# KiCad board q2v2.kicad_pcb (continued)
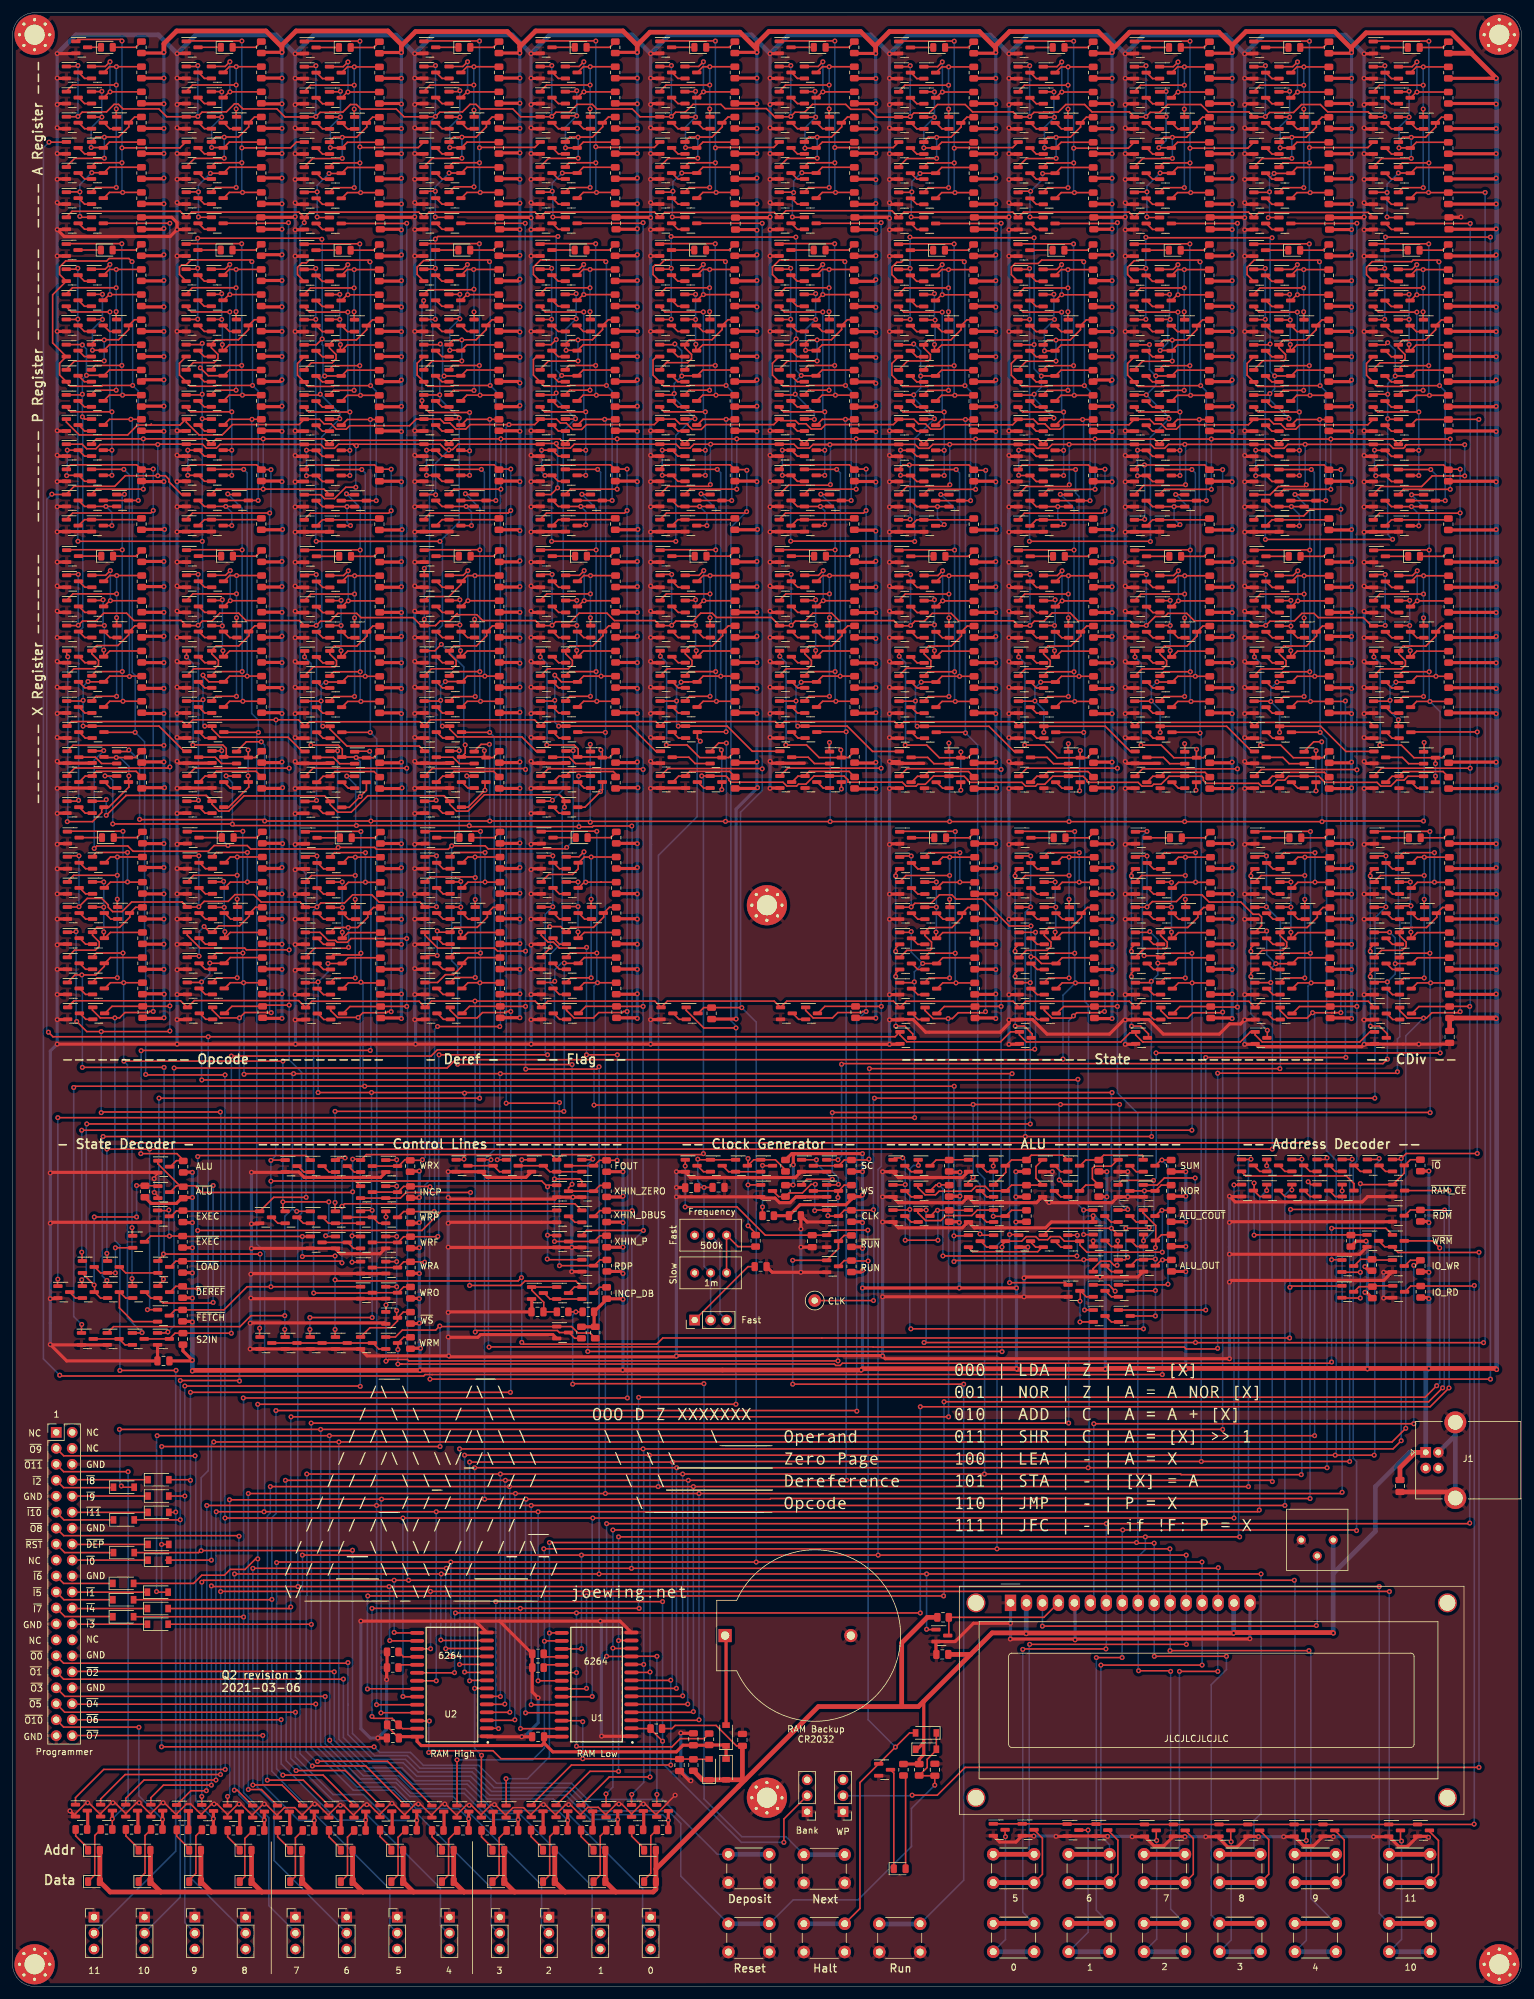
[diagram p0: board, top side]
## Routing (per net, layer and track width the routed paths; a pad name or vN(x,y) marks a point on that pad's centre or on a via; arc(x,y) is an arc through that point) (continued)
  Bottom w0.25: v1(207.92,249.31) 208,249.23 v1(208,199.53) 209.03,198.5 209.03,132.97 210.55,131.45 210.55,84.68 v1(210.4,84.53) ; v1(101.4,33.33) v1(101.4,50.03) 101.4,84.43 v1(101.3,84.53) ; v1(217.4,131.73) 217.4,131.33 216.69,130.62 216.69,84.62 v1(216.6,84.53) ; v1(71.9,50.03) v1(71.9,84.53)
ABUS2: length 483.7
  Top w0.25: 184.4,248.4 185.31,249.31 v1(188.78,249.31) R253.2 ; U1.8 104.66,48.69 v1(104.7,48.73) ; v1(212.7,83.53) v1(189.1,83.53) 105.1,83.53 v1(105,83.43) v1(72.7,83.43) ; Q681.1 213.05,131.58 v1(213.1,131.63) ; U2.8 72.77,48.69 v1(72.7,48.63) ; Q881.1 83.34,29.65 83.34,29.67 88.9,35.23 v1(104.7,35.23) ; v1(188.9,199.43) 188.78,199.55 Q641.3
  Bottom w0.25: v1(189.1,83.53) 189.08,83.55 189.08,199.25 v1(188.9,199.43) 188.9,236.32 188.78,236.44 v1(188.78,249.31) ; v1(212.7,83.53) 212.7,130.93 213.1,131.33 v1(213.1,131.63) ; v1(105,83.43) 104.93,83.35 104.93,48.95 v1(104.7,48.73) v1(104.7,35.23) ; v1(72.7,48.63) v1(72.7,83.43)
ABUS3: length 463.3
  Top w0.25: 165.9,248.4 166.81,249.31 v1(170.22,249.31) R172.2 ; v1(74.6,36.78) 74.57,36.75 Q877.1 ; v1(73.5,47.43) 73.5,47.42 U2.7 ; v1(105.6,47.43) 105.59,47.42 U1.7 ; v1(209.1,131.83) 208.85,131.58 207.45,131.58 ; v1(170.4,199.53) 165.96,199.53 ; v1(73.5,82.53) v1(171.1,82.53) v1(209.1,82.53)
  Bottom w0.25: v1(73.5,82.53) v1(73.5,47.43) 73.5,37.88 v1(74.6,36.78) ; v1(170.22,249.31) 170.37,249.15 170.37,199.55 v1(170.4,199.53) 170.58,199.35 170.58,156.7 171.13,156.15 171.13,108.1 171.25,107.97 171.25,82.68 v1(171.1,82.53) ; v1(209.1,82.53) v1(209.1,131.83) 209.15,131.88 ; v1(105.6,47.43) 105.6,82.48 v1(105.65,82.53)
ABUS4: length 539.1
  Top w0.25: 146.9,248.4 147.81,249.31 v1(151.58,249.31) R94.2 ; v1(77.6,46.13) 77.57,46.15 U2.6 ; v1(205,81.43) 185.9,81.43 185.8,81.53 v1(106.6,81.53) v1(46.8,81.53) ; Q873.1 59.65,35.83 48.53,35.83 v1(48.5,35.8) ; v1(205.1,131.63) 205.05,131.58 203.45,131.58 ; v1(106.6,46.23) 106.53,46.15 U1.6 ; Q269.3 151.48,199.55 v1(151.58,199.44)
  Bottom w0.25: v1(151.58,249.31) v1(151.58,199.44) 153.53,197.5 153.53,129.62 154.63,128.52 154.63,81.55 v1(154.6,81.53) ; v1(205.1,131.63) 205.1,81.53 v1(205,81.43) ; v1(77.6,46.13) v1(77.6,81.53) ; v1(48.5,35.8) 48.33,35.8 46.7,37.43 46.7,62.13 46.83,62.25 46.83,81.5 v1(46.8,81.53) ; v1(106.6,46.23) v1(106.6,81.53)
ABUS5: length 534.3
  Top w0.25: 127.9,248.42 128.81,249.33 v1(132.49,249.33) R426.2 ; Q869.1 52.91,34.35 v1(45.1,34.35) ; v1(200.4,80.33) 200.2,80.53 v1(43.4,80.53) ; v1(199.5,130.58) 199.51,130.59 Q686.1 ; v1(107.4,44.93) 107.35,44.88 U1.5 ; v1(132.6,199.63) 127.99,199.63 ; U2.5 78.25,44.88 v1(78.3,44.93)
  Bottom w0.25: 43.53,80.45 43.53,35.93 v1(45.1,34.35) ; v1(132.49,249.33) 132.49,199.73 v1(132.6,199.63) 132.6,80.63 v1(132.7,80.53) ; v1(107.5,80.53) 107.4,80.43 v1(107.4,44.93) ; v1(200.4,80.33) 200.38,80.35 200.38,129.7 v1(199.5,130.58) ; 43.53,80.4 v1(43.4,80.53) ; v1(78.4,80.53) 78.33,80.45 78.33,44.95 v1(78.3,44.93)
ABUS6: length 536.8
  Top w0.25: 108.9,248.42 109.81,249.33 v1(113.51,249.33) R435.2 ; Q688.1 196.95,131.58 v1(197,131.63) ; 196.8,79.53 v1(196.6,79.53) v1(41,79.53) ; Q891.1 46.26,32.83 v1(40.53,32.83) ; U2.4 79.09,43.61 v1(79.1,43.63) ; v1(108.3,43.73) 108.19,43.61 U1.4 ; v1(113.5,199.63) 108.99,199.63 ; v1(109.4,198.13) 108.94,198.59 Q991.3
  Bottom w0.25: v1(197,131.63) 196.6,131.23 v1(196.6,79.53) ; v1(109.4,198.13) 108.9,197.62 108.9,186.12 102.75,179.98 102.75,79.58 v1(102.7,79.53) ; v1(108.3,43.73) v1(108.3,79.53) ; v1(79.05,79.53) 79.1,79.48 v1(79.1,43.63) ; v1(40.53,32.83) 40.53,74.85 41,75.33 v1(41,79.53) ; v1(113.5,199.63) 113.51,199.63 v1(113.51,249.33)
ABUS7: length 544.7
  Top w0.25: 89.88,248.42 90.79,249.33 v1(94.19,249.33) R302.2 ; v1(37.5,78.43) v1(80,78.43) 94.2,78.43 94.3,78.53 ; v1(79.9,42.43) 79.81,42.34 U2.3 ; Q887.1 39.59,31.33 v1(37.5,31.33) ; U1.3 109.12,42.34 v1(109.2,42.43) ; v1(211.5,126.58) 211.51,126.59 Q689.1 ; v1(211.5,78.63) 211.3,78.43 v1(109.2,78.43) v1(94.3,78.43) ; v1(94.3,199.53) 89.96,199.53
  Bottom w0.25: v1(37.5,31.33) v1(37.5,78.43) ; v1(211.5,78.63) 211.5,126.43 ; v1(80,78.43) 79.9,78.33 v1(79.9,42.43) ; v1(109.2,42.43) v1(109.2,78.43) ; 94.3,78.53 v1(94.3,199.53) 94.35,199.57 94.35,249.18 v1(94.19,249.33)
ABUS8: length 536.1
  Top w0.25: 71.38,248.42 72.29,249.33 v1(75.91,249.33) R219.2 ; Q883.1 34.19,30.22 v1(34.2,30.23) ; v1(58.6,43.53) 58.62,43.55 U2.25 ; v1(81.6,43.53) 81.62,43.55 U1.25 ; v1(206.1,128.03) 206.55,127.58 Q690.1 ; v1(206.4,77.63) 120.6,77.63 120.5,77.53 v1(75.1,77.53) v1(58.7,77.53) 47.5,77.53 47.4,77.43 v1(34.5,77.43) ; v1(75.9,199.53) 71.46,199.53
  Bottom w0.25: v1(58.7,77.53) 58.63,77.45 58.63,43.55 v1(58.6,43.53) ; v1(206.4,77.63) 206.4,127.63 206.1,127.93 v1(206.1,128.03) ; v1(34.5,77.43) 34.55,77.38 34.55,30.58 v1(34.2,30.23) ; v1(81.6,43.53) 81.6,77.43 v1(81.7,77.53) ; v1(75.1,77.53) 75.07,77.55 75.07,131.57 76.63,133.12 76.63,198.8 v1(75.9,199.53) 75.91,199.53 v1(75.91,249.33)
ABUS9: length 533.1
  Top w0.25: 52.35,248.4 53.26,249.31 v1(56.92,249.31) R138.2 ; Q879.1 28.36,31.14 v1(30.83,31.14) ; v1(202.4,76.53) v1(57.9,76.53) v1(30.9,76.53) ; U1.24 82.5,44.82 v1(82.5,44.83) ; v1(203.5,126.73) 203.51,126.74 Q691.1 ; v1(56.9,199.53) 52.41,199.53 ; v1(57.9,44.83) 64.34,44.83
  Bottom w0.25: v1(57.9,44.83) v1(57.9,76.53) 57.93,76.55 57.93,198.5 v1(56.9,199.53) 56.92,199.54 v1(56.92,249.31) ; v1(202.4,76.53) 202.4,125.93 203.2,126.73 v1(203.5,126.73) ; v1(30.83,31.14) 30.9,31.21 v1(30.9,76.53) ; v1(82.5,44.83) v1(82.5,76.53)
ABUS10: length 524.9
  Top w0.25: 33.57,248.43 34.48,249.34 v1(38.09,249.34) R60.2 ; v1(199.5,126.63) 199.51,126.64 Q692.1 ; v1(39.1,199.53) 33.66,199.53 ; v1(198.32,75.8) 198.05,75.53 v1(83.6,75.53) v1(67.4,75.53) v1(40,75.53) v1(32.4,75.53) ; U1.21 83.6,48.63 v1(83.6,48.63) ; v1(32.35,32.84) 20.91,32.84 18,29.93 Q875.1 ; 64.36,48.63 v1(67.4,48.63)
  Bottom w0.25: v1(198.32,75.8) 198.4,75.88 198.4,125.53 v1(199.5,126.63) ; v1(32.35,32.84) 32.35,75.48 v1(32.4,75.53) ; v1(40,75.53) 40.1,75.63 40.1,116.87 38.84,118.13 38.84,199.27 v1(39.1,199.53) 39.1,201.47 38.04,202.53 38.04,249.29 v1(38.09,249.34) ; v1(67.4,48.63) v1(67.4,75.53) ; v1(83.6,48.63) v1(83.6,75.53)
ABUS11: length 545
  Top w0.25: v1(92.2,46.13) 92.16,46.09 U1.23 ; 14.5,248.43 15.41,249.34 R1.2 ; v1(19.5,199.53) 14.59,199.53 ; v1(33.8,74.53) v1(194.3,74.53) ; v1(62.1,46.13) 62.14,46.09 U2.23 ; v1(21.18,145.1) 21.25,145.03 v1(33.8,145.03) ; v1(33.83,34.53) 14.5,34.53 10.01,30.04 Q871.1 ; v1(194.3,127.53) 195.4,127.53
  Bottom w0.25: v1(33.8,145.03) 33.77,145 33.77,74.55 v1(33.8,74.53) 33.83,74.5 v1(33.83,34.53) ; v1(62.1,46.13) v1(62.1,74.53) ; v1(18.81,249.34) 19.03,249.13 19.03,209.07 19.5,208.6 v1(19.5,199.53) 21,198.03 21,166.53 21.18,166.35 v1(21.18,145.1) ; v1(92.2,46.13) 92.2,74.43 v1(92.3,74.53) ; v1(194.3,127.53) v1(194.3,74.53)
ALU_OUT: length 397
  Top w0.25: v1(182.9,97.35) 66.75,97.35 66.75,97.35 65.63,97.35 65.4,97.13 7.62,97.13 v1(7.5,97.25) ; R215.2 v1(182.94,115.59) 182.76,115.59 181.85,114.68 ; v1(5.8,293.43) 8.45,293.43
  Bottom w0.25: v1(182.94,115.59) 182.9,115.55 v1(182.9,97.35) ; v1(7.5,97.25) 4.9,99.85 4.9,292.53 v1(5.8,293.43)
CDIV: length 174.3
  Top w0.25: 222.56,158.76 223.47,159.67 v1(225.57,159.67) R428.2 ; 216.64,183.78 225.43,183.78 v1(225.46,183.76) ; v1(225.46,164.39) 221.25,164.39 220.56,163.71 ; v1(131.38,127.63) 131.28,127.53 129.45,127.53 ; v1(130.4,139.03) 130.43,139.05 225.47,139.05 v1(225.5,139.03)
  Bottom w0.25: v1(225.57,159.67) 225.46,159.78 v1(225.46,164.39) v1(225.46,183.76) ; v1(225.57,159.67) 225.5,159.6 v1(225.5,139.03) ; v1(225.57,159.67) 225.68,159.57 ; v1(130.4,139.03) 130.4,129.62 131.38,128.65 v1(131.38,127.63) 131.43,127.68
CLK: length 189.8
  Top w0.25: v1(218.46,171.76) 218.41,171.71 216.56,171.71 ; v1(218.46,179.86) 216.71,179.86 ; Q303.1 127.86,131.53 v1(127.87,131.52) ; 125.45,127.53 126.35,128.43 v1(130.4,128.43) ; v1(129.7,122.63) 129.75,122.58 Q308.3 132.3,123.49 R132.2 136.86,123.49 v1(136.95,123.58) ; v1(136.95,109.13) TP1.1 ; v1(216.7,141.33) v1(137.1,141.33)
  Bottom w0.25: v1(218.46,179.86) v1(218.46,171.76) 216.73,170.02 216.73,141.35 v1(216.7,141.33) ; v1(136.95,109.13) 137.03,109.2 137.03,123.5 v1(136.95,123.58) 136.95,141.18 v1(137.1,141.33) ; v1(129.7,122.63) 129.7,127.73 v1(130.4,128.43) 127.87,130.96 v1(127.87,131.52) 127.87,131.52
DBUS0: length 516.3
  Top w0.25: 216.5,192.55 217.77,193.82 v1(231.87,193.82) 232,193.95 ; 222.6,154.8 223.71,155.91 R400.2 ; v1(94.5,73.63) 231.7,73.63 v1(231.8,73.73) ; v1(173.92,53.7) 160.78,53.7 v1(160.7,53.63) ; v1(94.5,52.53) 94.53,52.5 U1.11 ; 231.95,280.43 v1(231.88,280.5) 222.4,280.5 ; v1(231.8,155.93) 228.62,155.93 ; v1(102.5,30.55) 102.46,30.51 Q890.1 ; v1(102.5,52.53) 98.47,52.53
  Top w0.75: SW20.1 SW20.1
  Bottom w0.25: v1(231.88,280.5) 231.88,193.83 v1(231.87,193.82) 231.87,156 v1(231.8,155.93) v1(231.8,73.73) ; v1(174,73.63) 173.99,73.62 DS1.7 173.99,53.77 v1(173.92,53.7) ; v1(102.5,30.55) v1(102.5,52.53) ; v1(160.7,53.63) 160.7,11.83 SW20.1 ; v1(94.5,52.53) v1(94.5,73.63)
DBUS1: length 486.1
  Top w0.25: 203.6,154.8 204.71,155.91 R337.2 ; v1(172.4,52.33) v1(176.5,52.33) ; Q823.1 198.64,193.62 213.8,193.62 v1(213.85,193.58) ; v1(213.85,280.53) 213.82,280.5 Q804.3 ; v1(213.8,72.53) 213.7,72.63 v1(176.6,72.63) v1(95.5,72.63) ; v1(95.5,53.83) 95.56,53.77 U1.12 ; v1(94.4,30.63) 94.41,30.61 Q886.1 ; v1(213.85,155.93) 209.62,155.93
  Top w0.75: SW19.1 SW19.1
  Bottom w0.25: v1(176.6,72.63) 176.53,72.56 DS1.8 ; v1(172.4,52.33) 172.4,12.13 SW19.1 ; v1(213.85,280.53) v1(213.85,193.58) v1(213.85,155.93) 213.85,131.3 213.27,130.73 213.27,84.02 213.8,83.5 v1(213.8,72.53) ; v1(176.5,52.33) 176.5,61 ; v1(95.5,72.63) v1(95.5,53.83) 95.5,31.73 v1(94.4,30.63)
DBUS2: length 472.4
  Top w0.25: 184.6,154.8 185.71,155.91 R254.2 ; Q882.1 91.86,34.23 v1(96.4,34.23) ; Q643.1 179.74,193.73 v1(194.85,193.73) ; v1(96.4,71.53) v1(195.2,71.53) ; v1(194.85,155.83) 190.68,155.83 ; U1.13 96.41,55.04 v1(96.4,55.03) ; Q624.3 194.82,280.5 v1(194.85,280.53) ; v1(179.12,50.23) 184.12,50.23 v1(184.22,50.13)
  Top w0.75: SW18.1 SW18.1
  Bottom w0.25: v1(195.2,71.53) 195.03,71.7 195.03,155.65 v1(194.85,155.83) v1(194.85,193.73) v1(194.85,280.53) ; v1(180.2,71.53) 180.2,69.53 179.07,68.4 DS1.9 179.07,50.28 v1(179.12,50.23) ; SW18.1 184.22,12.3 v1(184.22,50.13) ; 96.23,54.85 v1(96.4,55.03) ; v1(96.4,55.03) v1(96.4,71.53) ; v1(96.4,55.03) v1(96.4,34.23) 96.23,34.4
DBUS3: length 472.7
  Top w0.25: R173.2 167.21,155.91 166.1,154.8 ; v1(175.75,193.83) 161.34,193.83 Q444.1 ; v1(175.75,155.93) 172.12,155.93 ; v1(85.4,70.63) v1(178.8,70.63) 178.9,70.53 v1(181.6,70.53) ; v1(85.4,56.23) 85.43,56.25 U1.15 ; v1(78.5,33.05) 78.51,33.04 Q878.1 ; v1(175.75,280.63) 175.62,280.5 Q425.3 ; v1(181.62,52.53) v1(193.1,52.53)
  Top w0.75: SW17.1 SW17.1
  Bottom w0.25: v1(85.4,70.63) v1(85.4,56.23) 85.4,36.53 81.93,33.05 v1(78.5,33.05) ; SW17.1 190.67,11.35 190.67,48 193.1,50.43 v1(193.1,52.53) ; v1(175.75,280.63) v1(175.75,193.83) v1(175.75,155.93) 175.75,142.16 179,138.91 179,70.83 v1(178.8,70.63) ; v1(181.62,52.53) 181.61,52.54 DS1.10 181.61,70.52 v1(181.6,70.53)
DBUS4: length 495
  Top w0.25: 147.1,154.8 148.21,155.91 R95.2 ; Q252.3 157.22,280.5 v1(157.25,280.53) ; v1(184.12,53.43) v1(206.22,53.43) ; v1(157.25,193.63) 157.13,193.74 142.26,193.74 Q271.1 ; v1(157.25,155.93) 153.12,155.93 ; v1(84.5,69.63) v1(156.6,69.63) v1(184.1,69.63) ; v1(70.7,36.05) 70.7,36.05 Q874.1 ; U1.16 84.66,54.98 v1(84.6,54.93)
  Top w0.75: SW16.1 SW16.1
  Bottom w0.25: v1(84.5,69.63) 84.6,69.53 v1(84.6,54.93) 84.6,37.93 82.72,36.05 v1(70.7,36.05) ; v1(184.12,53.43) 184.15,53.45 DS1.11 184.15,69.58 v1(184.1,69.63) ; v1(156.6,69.63) 156.6,117.9 157.25,118.55 v1(157.25,155.93) v1(157.25,193.63) v1(157.25,280.53) ; v1(206.22,53.43) 206.53,53.13 206.53,14 SW16.1
DBUS5: length 539.6
  Top w0.25: R427.2 129.21,155.93 128.1,154.82 ; v1(138.2,155.93) 134.11,155.93 ; v1(138.17,193.83) 123.32,193.83 Q1057.1 ; v1(138.17,280.63) 138.06,280.52 Q1038.3 ; v1(47.7,35.08) 56.19,35.08 Q870.1 ; v1(186.7,68.63) v1(137.7,68.63) v1(46.1,68.63) ; v1(90.5,53.73) 90.49,53.71 U1.17 ; v1(161.8,54.43) 186.62,54.43 186.72,54.53
  Top w0.75: SW15.1 SW15.1
  Bottom w0.25: 186.72,54.53 186.72,60.99 ; v1(137.7,68.63) 137.67,68.65 137.67,129.97 138.2,130.5 v1(138.2,155.93) 138.17,155.96 v1(138.17,193.83) v1(138.17,280.63) ; v1(47.7,35.08) 45.73,37.05 45.73,62.65 46.13,63.05 46.13,68.6 v1(46.1,68.63) ; v1(90.5,53.73) v1(90.5,68.63) ; SW15.1 161.72,21.8 161.72,54.35 v1(161.8,54.43) ; v1(186.7,68.63) 186.7,61.04
  vias: v1(186.72,54.43)
DBUS6: length 535.5
  Top w0.25: v1(116,155.73) 115.99,155.74 R436.2 109.96,155.74 Q974.3 ; Q892.1 53.53,29.55 53.47,29.55 49.4,33.63 v1(43,33.63) ; v1(189.22,51.13) v1(173.12,51.13) ; v1(189.2,67.53) v1(69.7,67.53) 42.1,67.53 v1(42,67.43) ; v1(119.25,193.73) 119.21,193.77 104.26,193.77 Q993.1 ; v1(69.6,52.53) 69.62,52.5 U2.11 ; Q1011.3 119.25,280.52 v1(119.25,280.53)
  Top w0.75: SW14.1 SW14.1
  Bottom w0.25: v1(69.7,67.53) 69.73,67.5 69.73,52.65 v1(69.6,52.53) ; v1(43,33.63) 42,34.63 v1(42,67.43) ; 173.02,51.03 v1(173.12,51.13) 173.12,23.91 174.5,22.54 SW14.1 ; v1(119.25,280.53) v1(119.25,193.73) 119.25,190.28 115.8,186.83 115.8,155.93 v1(116,155.73) 118.3,153.43 v1(118.3,67.53) ; v1(189.2,67.53) 189.23,67.5 DS1.13 189.23,51.13 v1(189.22,51.13)
DBUS7: length 537.8
  Top w0.25: 90.07,154.82 91.19,155.93 R303.2 ; 90.5,119.48 91.3,120.28 v1(100.35,120.28) 100.3,120.33 ; v1(100.3,155.93) 96.08,155.93 ; v1(100.3,193.63) 100.18,193.75 85.21,193.75 Q747.1 ; v1(100.3,280.63) 100.19,280.52 Q722.3 ; U2.12 68.94,53.77 v1(68.9,53.73) ; v1(191.8,66.63) 191.7,66.53 v1(98.45,66.53) v1(69,66.53) v1(38.22,66.53) ; v1(38.22,32.05) 42.86,32.05 Q888.1 ; v1(185.62,50.13) v1(191.72,50.13)
  Top w0.75: SW13.1 SW13.1
  Bottom w0.25: v1(38.22,66.53) v1(38.22,32.05) ; v1(69,66.53) 68.93,66.45 68.93,53.75 v1(68.9,53.73) ; v1(98.45,66.53) 98.53,66.6 98.53,118.45 v1(100.35,120.28) 100.3,120.33 v1(100.3,155.93) v1(100.3,193.63) v1(100.3,280.63) ; v1(191.8,66.63) 191.8,61.06 ; 185.62,21.33 v1(185.62,50.13) ; v1(191.72,50.13) 191.72,60.98
DBUS8: length 564.3
  Top w0.25: 71.58,154.82 72.69,155.93 R220.2 ; v1(81.62,145.95) 92.93,145.95 v1(93.3,146.33) ; v1(68.12,55.13) 68.21,55.04 U2.13 ; v1(81.6,155.93) 77.58,155.93 ; v1(81.6,164.73) 77.15,164.73 76.67,165.21 67.63,165.21 65.6,167.24 Q595.1 ; Q856.1 145.45,56.78 v1(145.4,56.83) ; v1(35.3,65.63) v1(68.2,65.63) 93.2,65.63 93.4,65.43 ; Q884.1 35.74,31.23 v1(35.28,31.23) ; v1(81.6,193.63) 81.46,193.77 66.74,193.77 Q567.1 ; v1(81.55,280.53) 81.54,280.52 Q542.3 ; v1(198.6,65.63) v1(145.4,65.63) v1(93.3,65.63)
  Top w0.75: SW12.1 SW12.1
  Bottom w0.25: v1(145.4,56.83) v1(145.4,65.63) ; v1(81.62,145.95) 81.6,145.98 v1(81.6,155.93) v1(81.6,164.73) v1(81.6,193.63) 81.55,193.68 v1(81.55,280.53) ; v1(68.2,65.63) 68.12,65.55 v1(68.12,55.13) ; SW12.1 197.47,22.05 197.47,26.4 198.6,27.53 v1(198.6,65.63) ; 93.3,65.53 v1(93.3,146.33) 93.4,146.43 ; v1(35.28,31.23) 35.3,31.25 v1(35.3,65.63)
DBUS9: length 542.3
  Top w0.25: 52.55,154.8 53.66,155.91 R139.2 ; v1(30.1,30.23) 30.09,30.22 Q880.1 ; Q368.1 47.79,193.83 v1(62.7,193.83) ; v1(203.9,64.63) v1(63,64.63) v1(60.7,64.63) 30.4,64.63 v1(30.1,64.33) ; Q396.1 48.91,167.71 50.18,166.43 51.36,166.43 51.66,166.13 53.23,166.13 53.83,166.73 v1(62.7,166.73) ; v1(60.7,56.33) 60.78,56.25 U2.15 ; Q343.3 62.67,280.5 v1(62.7,280.53) ; v1(62.7,155.93) 58.57,155.93
  Top w0.75: SW11.1 SW11.1
  Bottom w0.25: v1(203.9,64.63) 204,64.53 SW11.1 ; v1(62.7,280.53) v1(62.7,193.83) v1(62.7,166.73) v1(62.7,155.93) 62.83,155.8 62.83,64.8 v1(63,64.63) ; v1(60.7,56.33) v1(60.7,64.63) ; v1(30.1,30.23) v1(30.1,64.33)
DBUS10: length 576.7
  Top w0.25: 33.77,154.83 34.88,155.94 R61.2 ; v1(31.62,32.03) 24,32.03 22,30.03 Q876.1 ; Q195.1 28.98,193.83 v1(44,193.83) ; v1(43.9,280.63) 43.8,280.53 Q170.3 ; v1(44,164.93) 37.2,164.93 36.91,165.21 29.83,165.21 27.79,167.25 Q223.1 ; v1(60,55.03) 60.05,54.98 U2.16 ; v1(217.4,63.63) v1(59.9,63.63) v1(45.4,63.63) 31.72,63.63 v1(31.62,63.73) ; v1(44,156.13) 39.96,156.13
  Top w0.75: SW10.1 SW10.1
  Bottom w0.25: SW10.1 217.4,11.63 v1(217.4,63.63) 217.45,63.58 217.45,63.3 ; v1(45.4,63.63) 45.37,63.65 45.37,122.43 45.97,123.03 45.97,145.45 44,147.43 v1(44,156.13) v1(44,164.93) v1(44,193.83) 43.9,193.93 v1(43.9,280.63) ; v1(31.62,32.03) v1(31.62,63.73) ; v1(60,55.03) 59.97,55.05 59.97,63.55 v1(59.9,63.63)
DBUS11: length 602.8
  Top w0.25: Q81.1 10.01,167.74 v1(10.1,167.83) ; v1(10.2,153.53) 11.8,151.93 v1(14.1,151.93) 24.92,151.93 v1(25.02,152.03) ; v1(14.1,139.03) 14.2,139.13 v1(33.05,139.13) ; v1(219.02,62.83) 219,62.85 v1(66.47,62.85) 33.13,62.85 v1(33.1,62.83) ; v1(25.02,156.01) 24.95,155.94 R2.2 15.81,155.94 14.7,154.83 ; v1(66.5,53.73) 66.48,53.71 U2.17 ; Q28.3 v1(25.02,280.53) ; v1(33.08,33.71) 17.91,33.71 14.01,29.81 Q872.1 ; 8.6,192.58 9.88,193.85 24.99,193.85 25.02,193.88 v1(25.02,194.03)
  Top w0.75: SW9.1 SW9.1
  Bottom w0.25: v1(14.1,151.93) v1(14.1,139.03) ; v1(10.2,153.53) 10.1,153.63 v1(10.1,167.83) ; v1(33.08,33.71) 33.1,33.74 v1(33.1,62.83) 33.08,62.85 33.08,75.13 33.13,75.18 33.13,139.05 v1(33.05,139.13) ; v1(25.02,280.53) v1(25.02,194.03) v1(25.02,156.01) v1(25.02,152.03) ; SW9.1 219,62.8 v1(219.02,62.83) ; v1(66.47,62.85) 66.5,62.83 v1(66.5,53.73)
DEP: length 288.8
  Top w0.25: R373.2 89.41,103.13 88.5,104.04 ; Q894.1 215.66,156.75 198.66,156.75 Q777.1 196.66,156.75 179.66,156.75 Q597.1 177.66,156.75 161.16,156.75 Q398.1 159.16,156.75 142.16,156.75 Q225.1 140.14,156.77 123.16,156.77 Q959.1 121.16,156.77 104.16,156.77 Q975.1 102.16,156.77 85.14,156.77 Q696.1 83.14,156.77 v1(73.55,156.77) 66.64,156.77 Q516.1 64.66,156.75 47.61,156.75 Q317.1 45.51,156.85 28.91,156.85 Q144.1 ; 9.75,156.83 8.7,155.78 ; Q855.3 86.99,104.04 86.66,104.36 73.84,104.36 v1(73.6,104.13) 73.69,104.04 ; Q2.1 9.81,156.83 26.72,156.83 27.77,155.78
  Bottom w0.25: v1(73.55,156.77) 73.57,156.75 73.57,104.15 v1(73.6,104.13)
DEREF: length 144.5
  Top w0.25: 71.54,158.78 72.45,159.69 v1(74.33,159.69) R246.2 ; v1(74.44,183.78) 74.41,183.81 65.61,183.81 ; 69.54,163.73 70.22,164.42 v1(74.44,164.42) ; v1(24,112.53) 24,112.38 23.05,111.43 ; v1(23.3,141.33) v1(74.3,141.33)
  Bottom w0.25: v1(74.44,183.78) v1(74.44,164.42) 74.44,159.8 v1(74.33,159.69) 74.33,141.36 v1(74.3,141.33) ; v1(23.3,141.33) 23.27,141.3 23.27,113.25 v1(24,112.53)
F: length 204.9
  Top w0.25: 90.04,158.78 90.95,159.69 v1(93.05,159.69) R329.2 ; v1(92.94,183.78) 92.91,183.81 84.11,183.81 ; 88.04,163.73 88.72,164.42 v1(92.94,164.42) ; v1(92.5,140.23) 152.7,140.23 v1(152.8,140.33) v1(166.7,140.33) v1(176.1,140.33) ; v1(153.9,119.73) 154.1,119.53 Q496.1 ; Q498.1 177.3,123.53 v1(177.4,123.63) ; v1(152.8,128.73) 152,127.93 152,127.53 ; 167.3,127.53 v1(166.5,128.33)
  Bottom w0.25: v1(92.94,183.78) v1(92.94,164.42) 92.94,159.81 v1(93.05,159.69) 92.5,159.15 v1(92.5,140.23) ; v1(166.7,140.33) 166.5,140.13 v1(166.5,128.33) ; v1(176.1,140.33) 176.07,140.3 176.07,124.7 177.15,123.63 v1(177.4,123.63) ; v1(152.8,140.33) v1(152.8,128.73) 153.9,127.63 v1(153.9,119.73)
INCP_CLK: length 424.4
  Top w0.25: 216.38,265.19 218.23,265.19 v1(218.28,265.24) ; 57.3,126.38 61.3,126.38 62.21,127.29 R50.2 66.26,127.29 66.38,127.18 66.4,127.2 v1(66.4,127.23) ; v1(66.4,96.63) v1(235.1,96.63) ; v1(218.28,273.34) 218.13,273.19 216.38,273.19 ; v1(218.4,278.33) v1(235.1,278.33)
  Bottom w0.25: v1(218.28,265.24) v1(218.28,273.34) 218.28,278.26 218.35,278.33 v1(218.4,278.33) ; v1(235.1,96.63) v1(235.1,278.33) ; v1(66.4,127.23) 66.34,127.16 66.34,96.69 v1(66.4,96.63)
IO_RD: length 173.6
  Top w0.25: v1(232.52,111.53) 232.44,111.44 R290.2 222.41,111.44 221.5,110.53 ; Q866.1 Q861.1 Q865.1 Q860.1 Q864.1 Q859.1 Q858.1 Q857.1 232.45,25.78 v1(232.5,25.83) ; 167.7,25.88 Q863.1 Q868.1 ; 180.01,25.83 Q862.1 Q867.1
  Bottom w0.25: v1(232.52,111.53) 232.52,25.85 v1(232.5,25.83)
IO_WR: length 108.3
  Top w0.25: v1(222.9,114.73) 223.14,114.73 R289.2 222.36,115.54 221.45,114.63 ; v1(172,89.53) v1(222.9,89.53)
  Bottom w0.25: v1(222.9,89.53) v1(222.9,114.73) ; v1(172,89.53) 172,61.58
NEXTF: length 55.5
  Top w0.25: v1(91.31,165.33) 91.19,165.21 86.97,165.21 86.02,166.16 85.19,166.16 84.1,167.25 Q775.1 ; v1(96.2,148.23) v1(91.3,148.23) ; 88.5,130.58 92.5,130.58 93.36,131.44 R58.2 v1(96.16,131.44) 96.25,131.53
  Bottom w0.25: v1(96.16,131.44) 96.2,131.48 v1(96.2,148.23) ; v1(91.3,148.23) 91.3,165.32 v1(91.31,165.33)
O0: length 302.7
  Top w0.25: 52.51,158.76 53.42,159.67 R165.2 ; v1(55.41,183.76) 55.38,183.78 46.59,183.78 ; v1(149.75,115.33) 149.92,115.5 170.27,115.5 v1(170.4,115.63) Q507.1 ; v1(170.53,107.63) Q509.1 ; Q388.1 50.99,164.12 55.14,164.12 v1(55.41,164.39) ; Q95.1 10.96,105.29 v1(11,105.33) ; v1(149.75,119.43) 151.9,119.43 ; v1(149.8,143.23) v1(56.02,143.23) 9.92,143.23 v1(9.73,143.03)
  Bottom w0.25: v1(55.41,183.76) v1(55.41,159.78) 55.74,159.45 55.74,143.5 v1(56.02,143.23) ; v1(149.8,143.23) 149.75,143.18 v1(149.75,119.43) v1(149.75,115.33) ; v1(11,105.33) 9.73,106.6 v1(9.73,143.03) ; v1(170.53,107.63) 170.53,107.63 170.53,115.5 v1(170.4,115.63)
O1: length 316.1
  Top w0.25: 33.73,158.79 34.64,159.7 v1(36.74,159.7) R87.2 ; v1(36.63,183.79) 36.6,183.81 27.8,183.81 ; 31.73,163.74 32.42,164.42 v1(36.63,164.42) ; v1(159,145.23) 36.92,145.23 v1(36.82,145.13) ; v1(158.6,119.63) 159.7,119.63 ; v1(158.6,111.98) 167.5,111.98 167.85,111.63 ; 43.3,103.33 v1(43.3,104.53) ; 44.5,145.03 v1(44.7,145.23) ; 43.5,106.73 37.93,106.73 36.18,104.98 16.06,104.98 Q96.1 ; Q132.1 v1(45.2,123.33) ; Q130.1 v1(77.1,131.53)
  Bottom w0.25: v1(36.63,183.79) v1(36.63,164.42) 36.63,159.81 v1(36.74,159.7) 36.82,159.62 36.82,145.03 ; v1(44.7,145.23) 44.5,145.03 44.5,123.73 ; 44.5,123.73 43.3,122.53 v1(43.3,104.53) ; 44.5,123.73 44.9,123.33 v1(45.2,123.33) ; v1(77.1,131.53) 77.5,131.93 77.5,145.13 v1(77.6,145.23) ; v1(158.6,111.98) v1(158.6,119.63) 158.6,144.83 v1(159,145.23)
  vias: v1(43.3,106.73)
O2: length 166.9
  Top w0.25: 14.66,158.79 15.57,159.7 v1(17.67,159.7) R28.2 ; v1(17.56,183.79) 17.53,183.81 8.74,183.81 ; 12.66,163.74 13.35,164.42 v1(17.56,164.42) ; Q93.1 20.55,103.98 v1(20.6,104.03) ; v1(50.3,124.83) v1(43,124.83) 43,123.63 43.3,123.33 ; v1(17.7,147.23) v1(43,147.23) ; v1(49.8,119.43) 49.9,119.33 Q115.1
  Bottom w0.25: v1(17.56,183.79) v1(17.56,164.42) 17.56,159.81 v1(17.67,159.7) 17.67,147.2 v1(17.7,147.23) 18.27,146.65 18.27,106.35 v1(20.6,104.03) ; v1(43,147.23) v1(43,124.83) ; v1(50.3,124.83) 50.3,119.93 v1(49.8,119.43)
RDA_DBUS: length 395.3
  Top w0.25: Q344.1 46.41,280.64 v1(46.4,280.63) ; Q344.1 47.27,282.3 64.61,282.3 65.44,281.47 66.27,282.3 83.11,282.3 83.94,281.47 84.77,282.3 102.13,282.3 102.96,281.47 103.74,282.25 121.18,282.25 121.96,281.47 123.02,282.53 139.88,282.53 Q253.1 141.82,282.3 159.11,282.3 Q426.1 160.82,282.3 177.61,282.3 Q625.1 179.32,282.3 196.61,282.3 Q805.1 198.27,282.25 215.66,282.25 Q922.1 ; Q344.1 45.56,282.3 28.46,282.3 Q171.1 26.68,282.43 9.45,282.43 8.5,281.48 ; v1(46.7,125.55) 41.54,125.55 Q137.1 ; 25.05,122.38 26.06,123.39 27.05,123.39 ; 39.25,123.33 27.11,123.33
  Bottom w0.25: v1(46.4,280.63) 45.72,279.95 45.72,177.97 46.65,177.04 46.65,172.78 46.68,172.76 46.68,125.58 v1(46.7,125.55)
RDM: length 282
  Top w0.25: 211.35,111.43 203.4,111.43 v1(203.2,111.23) ; v1(203.3,123.63) 219.4,123.63 ; Q131.1 v1(81,131.53) ; R38.2 21.96,119.39 21.05,118.48 ; 27.11,119.33 v1(46.1,119.33) 47.3,119.33 ; v1(80.95,112.78) 80.43,112.25 51.47,112.25 v1(51.3,112.43) ; v1(46.1,116.13) 46.2,116.22 v1(51.3,116.22) ; 203.1,103.13 v1(203.15,103.18) 128.75,103.18 103.45,103.18 102.48,102.2 81.27,102.2 v1(81,102.48) ; v1(24.85,123.53) 24.75,123.43 23.05,123.43 ; 51.3,103.33 v1(51.3,104.53)
  Bottom w0.25: v1(203.3,123.63) 203.2,123.53 203.2,103.23 v1(203.15,103.18) ; v1(24.85,123.53) 24.85,119.5 v1(24.96,119.39) ; v1(46.1,116.13) v1(46.1,119.33) ; 80.95,112.48 80.95,131.48 v1(81,131.53) ; v1(51.3,116.22) 51.3,116.22 v1(51.3,112.43) v1(51.3,104.53) ; v1(81,102.48) 81,112.43
RDP_ABUS: length 376.1
  Top w0.25: 46.35,249.35 48.84,249.35 49.56,248.62 50.69,248.62 50.69,248.58 51.5,247.77 53.07,247.77 53.62,248.32 63.15,248.32 64.2,249.37 Q518.1 ; 197.4,249.35 199.89,249.35 200.61,248.62 201.74,248.62 201.74,248.58 ; 140.9,249.35 143.39,249.35 144.11,248.62 145.21,248.62 145.21,248.61 146.05,247.77 147.62,247.77 148.32,248.47 159.09,248.47 Q401.1 ; 159.9,249.35 162.39,249.35 163.11,248.62 164.24,248.62 164.24,248.58 ; v1(87,140.63) 86.9,140.53 v1(78.53,140.53) ; Q780.1 196.59,248.47 185.82,248.47 185.12,247.77 183.55,247.77 182.7,248.62 ; 21.9,248.43 26.62,248.43 27.57,249.38 ; 21.9,248.43 22.07,248.6 ; 21.9,248.43 19.89,248.43 18.31,246.85 10.6,246.85 8.56,248.89 Q4.1 ; 201.7,248.62 202.55,247.77 204.12,247.77 204.82,248.47 215.59,248.47 Q897.1 ; 164.2,248.62 165.05,247.77 166.62,247.77 167.32,248.47 177.59,248.47 Q600.1 ; Q1014.1 102.09,248.5 91.3,248.5 90.53,247.73 89.09,247.73 88.07,248.75 87.15,248.75 86.53,249.37 Q698.1 83.06,248.5 v1(78.97,248.5) 72.8,248.5 72.1,247.8 70.53,247.8 69.58,248.75 68.65,248.75 68.03,249.37 65.38,249.37 ; 94.56,115.59 93.41,115.59 92.5,114.68 v1(87,114.68) ; 182.74,248.58 182.74,248.62 181.61,248.62 180.89,249.35 178.4,249.35 ; Q319.1 45.57,248.5 34.99,248.5 33.34,246.85 29.67,246.85 27.63,248.88 Q146.1 ; 145.24,248.62 145.24,248.58 ; Q228.1 140.11,248.5 129.32,248.5 128.62,247.8 127.05,247.8 126.22,248.63 125.04,248.63 124.54,249.13 122.21,249.13 Q1090.1 121.09,248.5 110.32,248.5 109.55,247.73 108.12,247.73 107.47,248.37 107.47,248.5 107.33,248.65 106.11,248.65 105.39,249.37 102.9,249.37
  Bottom w0.25: v1(78.97,248.5) 78.53,248.05 v1(78.53,140.53) ; v1(87,140.63) 86.97,140.6 86.97,114.7 v1(87,114.68)
